# Altium PCB PCB_Poryecto0.PcbDoc
Units mm, origin at the board's own origin, x right, y up, seen from the top; angles counter-clockwise.
Board outline 65 x 45 mm, 2 copper layers (Top Layer, Bottom Layer); 187 components, 258 nets, 1098 pads, 0 vias.
Unrouted connection lines stored in the file: 711.
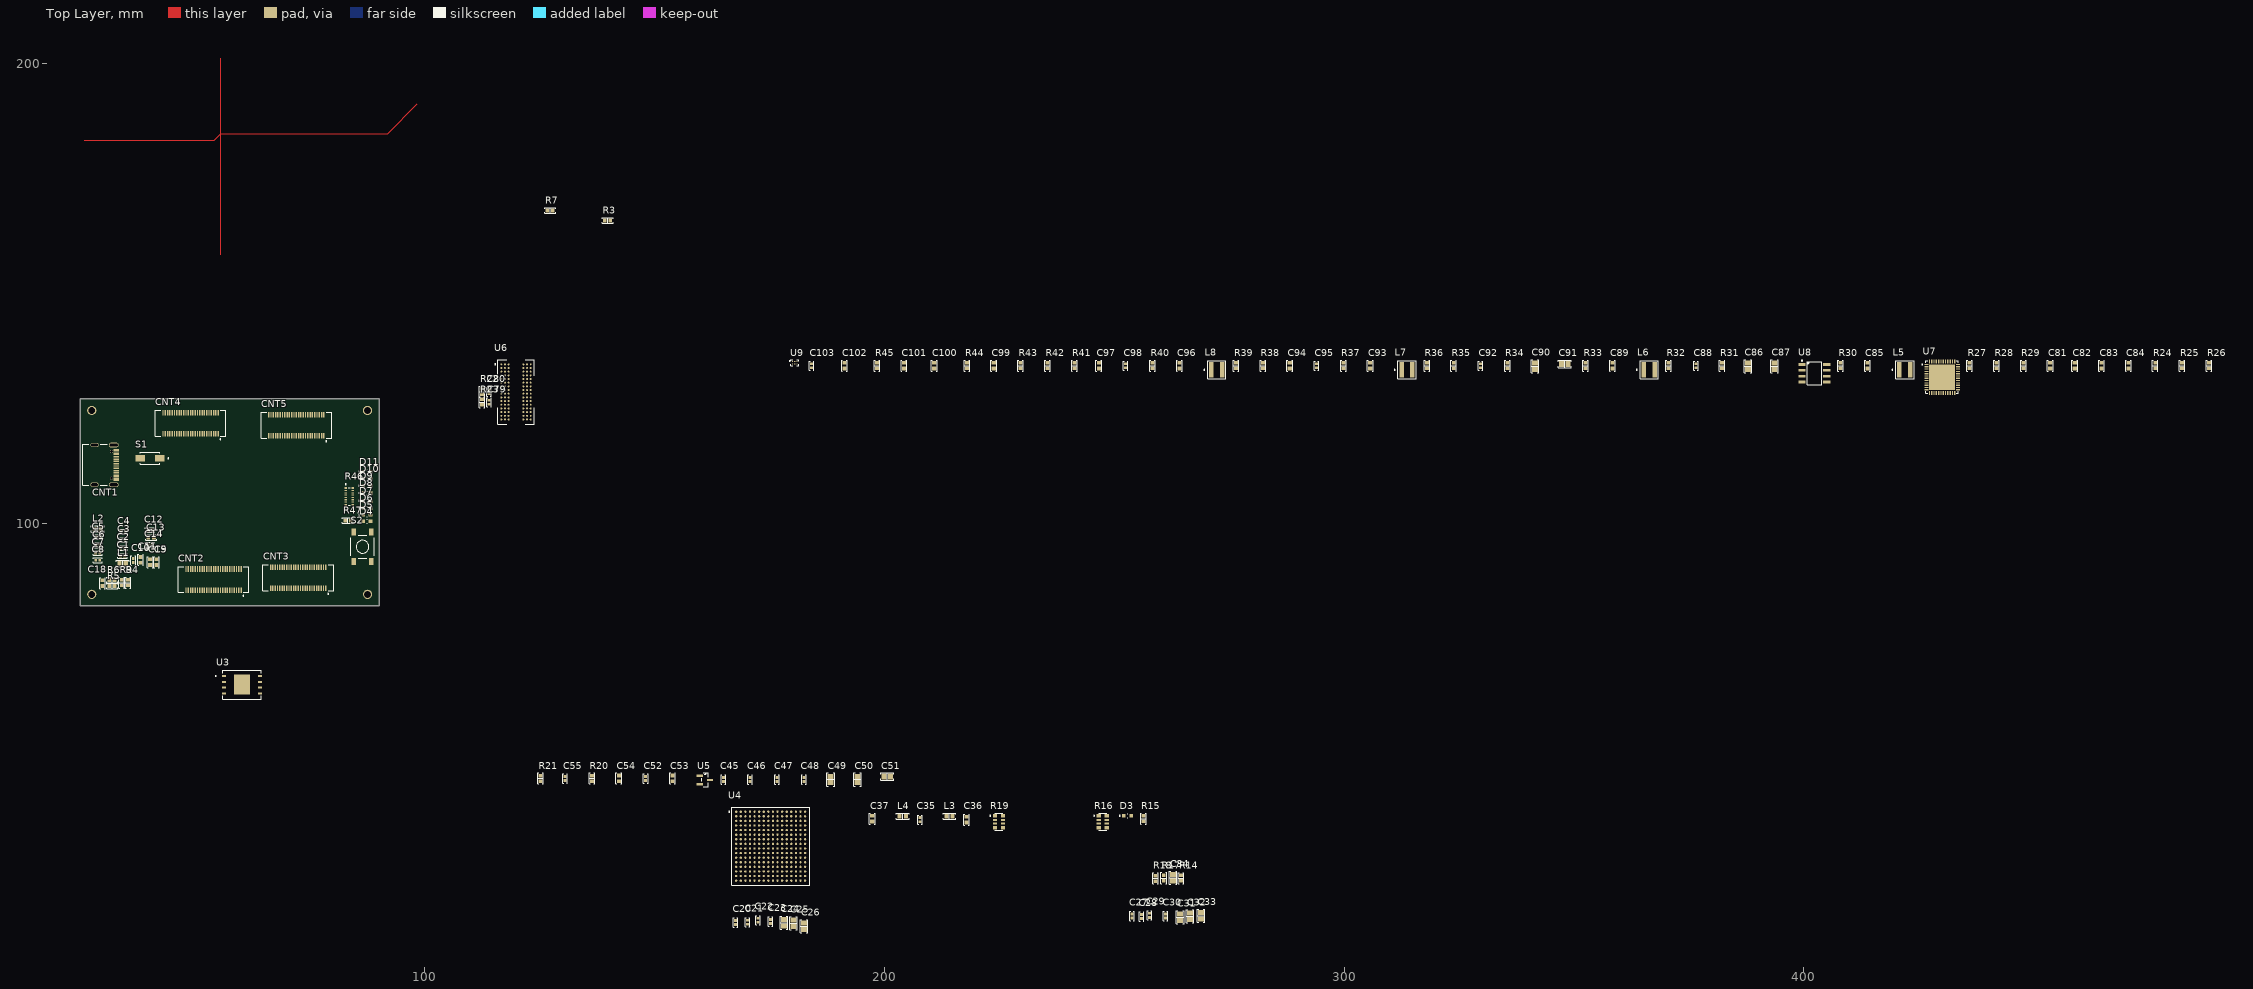
[diagram p0: Top Layer view]
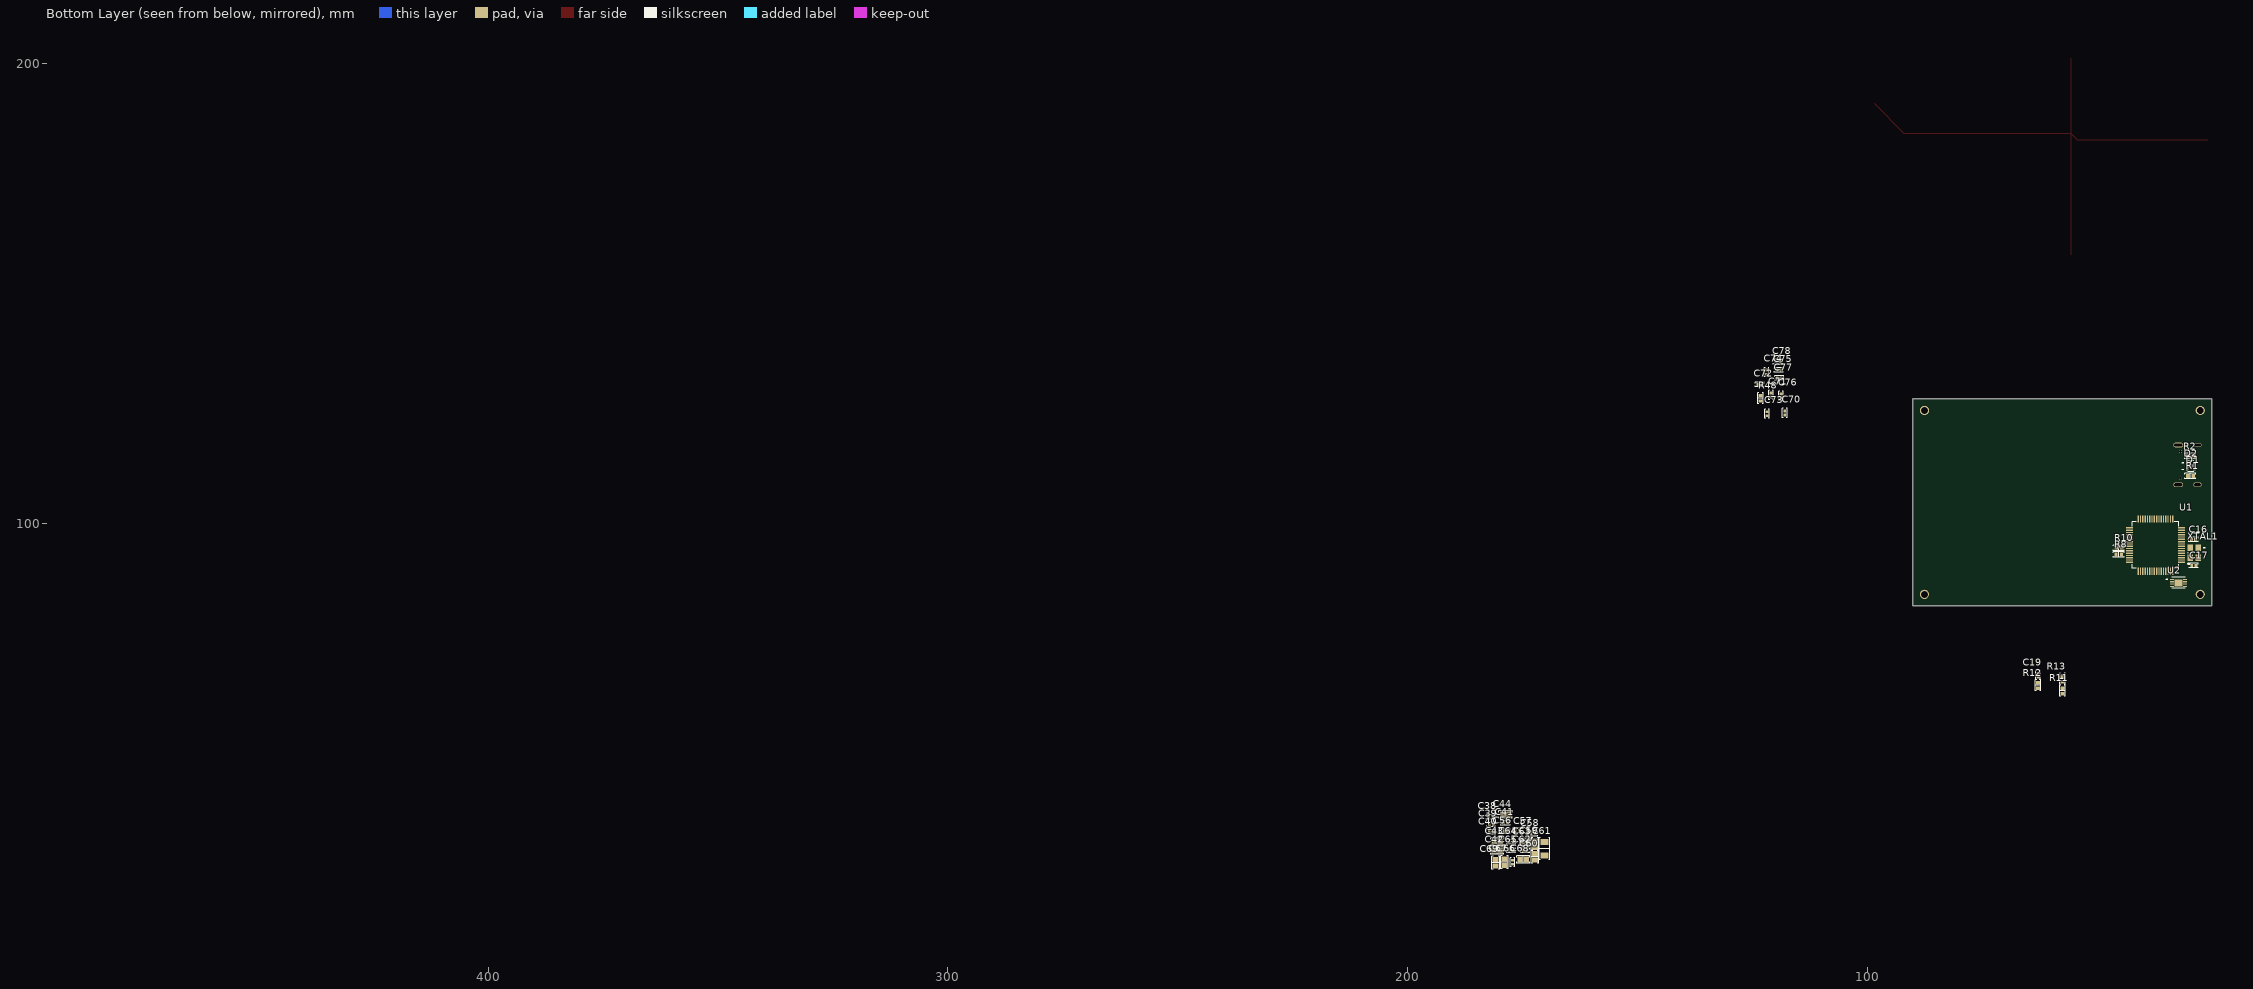
[diagram p1: Bottom Layer view, seen from below]

## Layer stack, top to bottom
Top Solder: solder mask 0.0102, Solder Resist, Dk 3.5
Top Layer: signal copper 0.0356
Dielectric 1: dielectric 0.32, FR-4, Dk 4.8
Bottom Layer: signal copper 0.0356
Bottom Solder: solder mask 0.0102, Solder Resist, Dk 3.5

## Board outline
25,82 25,127 90,127 90,82

## Design rules (kind name [scope] priority, off if disabled: settings)
Clearance [All] p1: gap=0.254 ignorepadtopadclearanceinfootprint=FALSE except(0: Arc-Hole Track-Hole SMDPad-Hole THPad-Hole Via-Hole Fill-Hole Poly-Hole Region-Hole Text-Hole)
DiffPairsRouting [All] p1: maxlimit=0.254 minlimit=0.254 mostfreqgap=0.254 toplayer_minwidth=0.381 toplayer_maxwidth=0.381 toplayer_prefwidth=0.381 bottomlayer_minwidth=0.381 bottomlayer_maxwidth=0.381 bottomlayer_prefwidth=0.381 maxuncoupledlength=12.7
PolygonConnect [All] p1: connectstyle=Relief reliefconductorwidth=0.254 reliefentries=4 polygonreliefangle="90 Angle" airgapwidth=0.254
RoomDefinition U_FPGA_Power&Ports [InComponentClass('U_FPGA_Power&Ports')] p1: confinementstyle=ConfineIn formatcopy=TRUE lockcomponents=FALSE outline 0,0 50.8,0 50.8,25.4 0,25.4
RoomDefinition U_USB_Port_FTT [InComponentClass('U_USB_Port_FTT')] p2: confinementstyle=ConfineIn formatcopy=TRUE lockcomponents=FALSE outline 0,0 50.8,0 50.8,25.4 0,25.4
RoomDefinition U_Leds_and_Buttons [InComponentClass('U_Leds_and_Buttons')] p3: confinementstyle=ConfineIn formatcopy=TRUE lockcomponents=FALSE outline 0,0 50.8,0 50.8,25.4 0,25.4
RoomDefinition U_Flash_Memory [InComponentClass('U_Flash_Memory')] p4: confinementstyle=ConfineIn formatcopy=TRUE lockcomponents=FALSE outline 0,0 50.8,0 50.8,25.4 0,25.4
RoomDefinition U_DDR_Memory [InComponentClass('U_DDR_Memory')] p5: confinementstyle=ConfineIn formatcopy=TRUE lockcomponents=FALSE outline 0,0 50.8,0 50.8,25.4 0,25.4
RoomDefinition U_Bank_A-B-C-D [InComponentClass('U_Bank_A-B-C-D')] p6: confinementstyle=ConfineIn formatcopy=TRUE lockcomponents=FALSE outline 0,0 50.8,0 50.8,25.4 0,25.4
RoomDefinition U_Power_Supply [InComponentClass('U_Power_Supply')] p7: confinementstyle=ConfineIn formatcopy=TRUE lockcomponents=FALSE outline 178.943,127.127 492.252,127.127 492.252,138.303 178.943,138.303
RoutingVias [All] p1: holewidth=0.711 width=1.27 viastyle="Through Hole" minholewidth=0.711 minwidth=1.27 maxholewidth=0.711 maxwidth=1.27
SolderMaskExpansion [All] p1: expansion=0.102 istentingtop=FALSE
Width [All] p1: maxlimit=0.254 minlimit=0.254 preferedwidth=0.254
29 further rules are at their usual default settings.

## Classes and differential pairs
net class DQ[15..0]: DQ0 DQ1 DQ2 DQ3 DQ4 DQ5 DQ6 DQ7 DQ8 DQ9 DQ10 DQ11 DQ12 DQ13 DQ14 DQ15
net class BA[2..0]: BA0 BA1 BA2
net class ADD[14..0]: ADD0 ADD1 ADD2 ADD3 ADD4 ADD5 ADD6 ADD7 ADD8 ADD9 ADD10 ADD11 ADD12 ADD13 ADD14
component class U_USB_Port_FTT: C1 C2 C3 C4 C5 C6 C7 C8 C9 C10 C11 C12 C13 C14 C15 C16 C17 C18 CNT1 D1 D2 L1 L2 R1 R2 R3 R4 R5 R6 R7 R8 R9 R10 S1 U1 U2 XTAL1
component class U_Power_Supply: C81 C82 C83 C84 C85 C86 C87 C88 C89 C90 C91 C92 C93 C94 C95 C96 C97 C98 C99 C100 C101 C102 C103 L5 L6 L7 L8 R24 R25 R26 R27 R28 R29 R30 R31 R32 R33 R34 R35 R36 R37 R38 R39 R40 R41 R42 R43 R44 R45 U7 U8 U9
component class U_Leds_and_Buttons: D4 D5 D6 D7 D8 D9 D10 D11 R46 R47 S2
component class U_FPGA_Power&Ports: C20 C21 C22 C23 C24 C25 C26 C27 C28 C29 C30 C31 C32 C33 C34 C35 C36 C37 C38 C39 C40 C41 C42 C43 C44 C45 C46 C47 C48 C49 C50 C51 C52 C53 C54 C55 C56 C57 C58 C59 C60 C61 C62 C63 C64 C65 C66 C67 C68 C69 D3 L3 L4 R14 R15 R16 R17 R18 R19 R20 R21 U4 U5
component class U_Flash_Memory: C19 R11 R12 R13 U3
component class U_DDR_Memory: C70 C71 C72 C73 C74 C75 C76 C77 C78 C79 C80 R22 R23 R48 U6
component class U_Bank_A-B-C-D: CNT2 CNT3 CNT4 CNT5
differential pair UDQS: +UDQS_P -UDQS_N
differential pair LDQS: +LDQS_P -LDQS_N
differential pair IN_Filter_ADC: +IN_Filter_ADC_P -IN_Filter_ADC_N
differential pair D: +D_p -D_n
differential pair CK: +CK_P -CK_N
differential pair ADC_IN: +ADC_IN_P -ADC_IN_N

## Components (designator, comment, footprint, x,y, rotation, side; value= is the part's Value field where it differs from the comment)
C1 "0.47uF" CAP0402 34.174,92.837 r180 top
C2 "0.47uF" CAP0402 34.214,94.59 r180 top
C3 "4.7uF" CAP0402 34.25,96.342 r180 top
C4 "4.7uF" CAP0402 34.315,98.12 r180 top
C5 "0.47uF" CAP0402 28.767,96.926 r0 top
C6 "0.47uF" CAP0402 28.803,95.174 r0 top
C7 "4.7uF" CAP0402 28.767,93.523 r0 top
C8 "4.7uF" CAP0402 28.781,91.897 r0 top
C9 "3.3uF" CAP0603 41.58,91.488 r90 top value="3.3 uF"
C10 "0.1uF" CAP0402 36.525,91.862 r270 top
C11 "0.47uF" CAP0603 38.125,91.985 r270 top
C12 "0.47uF" CAP0402 40.18,98.45 r0 top
C13 "0.1uF" CAP0603 40.402,96.85 r0 top
C14 "4.7uF" CAP0402 40.18,95.275 r0 top
C15 "0.1uF" CAP0603 40.234,91.491 r270 top
C16 "27pF" CAP0402 28.956,96.393 r180 bottom
C17 "27pF" CAP0402 28.88,90.729 r0 bottom
C18 "0.47uF" CAP0603 29.845,86.93 r90 top
C19 "0.1uF" CAP0402 62.789,66.878 r270 bottom
C20 "0.47uF" CAP0402 167.564,13.092 r90 top
C21 "0.47uF" CAP0402 170.205,13.132 r90 top
C22 "0.47uF" CAP0402 172.441,13.578 r90 top
C23 "0.47uF" CAP0402 175.184,13.31 r90 top
C24 "4.7uF" CAP0805 178.079,13.056 r90 top
C25 "4.7uF" CAP0805 180.162,12.954 r90 top
C26 "47uF" CAP0805 182.499,12.294 r90 top
C27 "0.47uF" CAP0402 253.873,14.503 r90 top
C28 "0.47uF" CAP0402 255.956,14.376 r90 top
C29 "0.47uF" CAP0402 257.632,14.63 r90 top
C30 "0.47uF" CAP0402 261.163,14.478 r90 top
C31 "4.7uF" CAP0805 264.338,14.261 r90 top
C32 "4.7uF" CAP0805 266.497,14.478 r90 top
C33 "47uF" CAP0805 268.834,14.554 r90 top
C34 "47uF" CAP0805 262.814,22.858 r90 top
C35 "4.7uF" CAP0402 207.696,35.458 r90 top
C36 "0.47uF" CAP0603 217.856,35.458 r90 top
C37 "0.1uF" CAP0603 197.333,35.687 r90 top
C38 "0.47uF" CAP0402 181.901,36.068 r0 bottom
C39 "0.47uF" CAP0402 181.762,34.417 r180 bottom
C40 "0.47uF" CAP0402 181.737,32.741 r180 bottom
C41 "0.47uF" CAP0402 178.675,34.773 r180 bottom
C42 "4.7uF" CAP0805 180.427,28.778 r180 bottom
C43 "4.7uF" CAP0805 180.416,30.658 r0 bottom
C44 "47uF" CAP0805 178.664,36.551 r0 bottom
C45 "0.47uF" CAP0402 164.922,44.196 r90 top
C46 "0.47uF" CAP0402 170.764,44.196 r90 top
C47 "0.47uF" CAP0402 176.606,44.196 r90 top
C48 "0.47uF" CAP0402 182.448,44.196 r90 top
C49 "4.7uF" CAP0805 188.29,44.196 r90 top
C50 "4.7uF" CAP0805 194.107,44.196 r90 top
C51 "47uF" CAP0805 200.558,44.806 r0 top
C52 "0.1uF" CAP0402 148.031,44.425 r90 top
C53 "10uF" CAP0603 153.873,44.425 r90 top
C54 "0.1uF" CAP0603 142.189,44.425 r90 top
C55 "1nF" CAP0402 130.505,44.425 r90 top
C56 "0.47uF" CAP0402 178.627,32.918 r180 bottom
C57 "0.47uF" CAP0402 176.115,33.147 r0 bottom
C58 "0.47uF" CAP0402 172.618,32.385 r180 bottom
C59 "4.7uF" CAP0805 172.237,30.099 r90 bottom
C60 "4.7uF" CAP0805 172.237,27.342 r90 bottom
C61 "100uF" CAP1206 170.18,29.134 r90 bottom
C62 "0.47uF" CAP0402 174.357,28.753 r0 bottom
C63 "47uF" CAP0805 174.411,30.556 r0 bottom
C64 "0.47uF" CAP0402 177.405,30.607 r180 bottom
C65 "0.47uF" CAP0402 177.419,28.778 r180 bottom
C66 "0.47uF" CAP0402 177.165,26.173 r90 bottom
C67 "4.7uF" CAP0805 178.892,26.199 r90 bottom
C68 "4.7uF" CAP0805 174.789,26.772 r0 bottom
C69 "47uF" CAP0805 180.797,26.111 r90 bottom
C70 "0.47uF" CAP0402 117.907,123.952 r90 bottom
C71 "0.47uF" CAP0402 120.904,127.864 r90 bottom
C72 "0.47uF" CAP0402 123.357,130.15 r180 bottom
C73 "0.47uF" CAP0402 121.768,123.774 r90 bottom
C74 "0.47uF" CAP0402 121.844,132.842 r90 bottom
C75 "0.47uF" CAP0402 119.177,133.299 r180 bottom
C76 "0.47uF" CAP0402 118.72,127.66 r90 bottom
C77 "0.47uF" CAP0402 119.101,131.521 r180 bottom
C78 "0.47uF" CAP0402 119.38,135.103 r180 bottom
C79 "1uF" CAP0402 113.97,126.273 r90 top
C80 "10nF" CAP0402 113.944,128.6 r270 top
C81 "10uF" CAP0603 453.644,134.239 r90 top
C82 "10uF" CAP0603 458.978,134.239 r90 top
C83 "10uF" CAP0603 464.82,134.239 r90 top
C84 "10uF" CAP0603 470.662,134.239 r90 top
C85 "0.1uF" CAP0603 413.893,134.239 r90 top
C86 "47uF" CAP0805 387.858,134.112 r90 top
C87 "47uF" CAP0805 393.7,134.112 r90 top
C88 "2.7nF" CAP0402 376.555,134.239 r90 top value=2.2nF
C89 "0.1uF" CAP0603 358.394,134.239 r90 top
C90 "47uF" CAP0805 341.503,134.112 r90 top
C91 "47uF" CAP0805 347.98,134.62 r0 top
C92 "2.7nF" CAP0402 329.692,134.239 r90 top value=2.2nF
C93 "0.1uF" CAP0603 305.689,134.239 r90 top
C94 "22uF" CAP0603 288.163,134.239 r90 top
C95 "2.7nF" CAP0402 294.005,134.239 r90 top value=2.2nF
C96 "0.1uF" CAP0603 264.16,134.239 r90 top
C97 "22uF" CAP0603 246.634,134.239 r90 top
C98 "2.7nF" CAP0402 252.476,134.239 r90 top value=2.2nF
C99 "10uF" CAP0603 223.774,134.239 r90 top
C100 "1uF" CAP0603 210.82,134.239 r90 top
C101 "1uF" CAP0603 204.216,134.239 r90 top
C102 "1uF" CAP0603 191.262,134.239 r90 top
C103 "0.1uF" CAP0402 184.15,134.239 r90 top
CNT1 "USB-C" "USB-C 2.0 24 PINS (16+8 DUMMY)" 28.095,112.655 r270 top locked
CNT2 "528850574" 528850574 54,87.7 r180 top
CNT3 "528850574" 528850574 72.415,88.087 r180 top
CNT4 "528850574" 528850574 49,121.7 r180 top
CNT5 "528850574" 528850574 72,121.3 r180 top
D1 "ESD321" SOD-523 29.579,111.658 r180 bottom
D2 "ESD321" SOD-523 29.558,113.081 r180 bottom
D3 "597-3305-607F" 0603_LED 252.882,36.297 r0 top
D4 "597-3305-607F" 0603_LED 87.363,100.381 r0 top
D5 "597-3305-607F" 0603_LED 87.363,101.803 r0 top
D6 "597-3305-607F" 0603_LED 87.363,103.264 r0 top
D7 "597-3305-607F" 0603_LED 87.363,104.813 r0 top
D8 "597-3305-607F" 0603_LED 87.363,106.54 r0 top
D9 "597-3305-607F" 0603_LED 87.363,108.102 r0 top
D10 "597-3305-607F" 0603_LED 87.363,109.652 r0 top
D11 "597-3305-607F" 0603_LED 87.363,111.176 r0 top
L1 "HZ0603C651R-10" Fer0603 34.225,91.186 r180 top
L2 "HZ0603C651R-10" Fer0603 28.767,98.679 r0 top
L3 "HZ0603C651R-10" Fer0603 214.122,36.195 r0 top
L4 "HZ0603C651R-10" Fer0603 203.962,36.195 r0 top
L5 "3.3uH" IND1616-2.1mm 422.021,133.35 r0 top
L6 "1.5uH" IND1616-2.1mm 366.395,133.35 r0 top
L7 "6.8uH" IND1616-3.1mm 313.69,133.35 r0 top
L8 "3.3uH" IND1616-2.1mm 272.288,133.35 r0 top
R1 "5.1 K" RES0603 29.632,110.261 r180 bottom value="47 K"
R2 "5.1 K" RES0603 29.633,114.554 r180 bottom value="47 K"
R3 "10 K" RES0603 139.732,165.82 r0 top
R4 "10 K" RES0603 35.357,87.022 r90 top
R5 "10 K" RES0603 31.944,86.295 r180 top
R6 "10 K" RES0603 31.944,87.616 r180 top
R7 "12 K" RES0603 127.221,167.979 r0 top
R8 "4.7 k" RES0603 45.228,93.167 r0 bottom
R9 "2 k" RES0603 34.011,87.041 r90 top
R10 "10 K" RES0603 45.212,94.615 r180 bottom
R11 "4.7 k" RES0603 57.48,63.49 r90 bottom
R12 "4.7 k" RES0603 62.789,64.653 r90 bottom
R13 "4.7 k" RES0603 57.506,66.081 r90 bottom
R14 "200R" RES0603 264.516,22.733 r90 top value=200
R15 "165R" RES0603 256.311,35.687 r90 top value=165
R16 "100" ArrayResistor-1206 247.523,35.027 r0 top value="100 Ohms"
R17 "4.7 k" RES0603 260.756,22.758 r90 top
R18 "4.7 k" RES0603 258.928,22.692 r270 top
R19 "100" ArrayResistor-1206 224.917,35.027 r0 top value="100 Ohms"
R20 "78R7" RES0603 136.322,44.425 r90 top value=200
R21 "78R7" RES0603 125.146,44.425 r90 top value=200
R22 "1K" RES0603 112.42,128.597 r90 top
R23 "1K" RES0603 112.42,126.298 r90 top
R24 "6.65 K" RES0603 476.504,134.239 r90 top
R25 "1K" RES0603 482.346,134.239 r90 top
R26 "9.31 K" RES0603 488.188,134.239 r90 top value=9.31k
R27 "12.7 K" RES0603 436.118,134.239 r90 top
R28 "10 K" RES0603 441.96,134.239 r90 top
R29 "10 K" RES0603 447.802,134.239 r90 top
R30 "31.6 K" RES0603 408.051,134.239 r90 top
R31 "10.2 K" RES0603 382.27,134.239 r90 top
R32 "15 K" RES0603 370.586,134.239 r90 top
R33 "2.49 K" RES0603 352.552,134.239 r90 top
R34 "10 K" RES0603 335.534,134.239 r90 top
R35 "47 K" RES0603 323.85,134.239 r90 top
R36 "10 K" RES0603 318.008,134.239 r90 top
R37 "12.7 K" RES0603 299.847,134.239 r90 top
R38 "10.2 K" RES0603 282.321,134.239 r90 top
R39 "10 K" RES0603 276.479,134.239 r90 top
R40 "6.65 K" RES0603 258.318,134.239 r90 top
R41 "10 K" RES0603 241.3,134.239 r90 top
R42 "10 K" RES0603 235.458,134.239 r90 top
R43 "4.99 K" RES0603 229.616,134.239 r90 top
R44 "1.91 K" RES0603 217.932,134.239 r90 top
R45 "31.6 K" RES0603 198.374,134.239 r90 top
R46 "330" ArrayResistor-1506 83.541,105.816 r0 top value="330 Ohms"
R47 "10 K" RES0603 83.236,100.584 r0 top
R48 "240" RES0603 123.19,127.152 r90 bottom
S1 "SK34A" "Diode SMA-2" 40.157,114.097 r180 top
S2 "PTS526 SK15 SMTR2 LFS" "Push Button" 86.411,94.844 r90 top
U1 "FT2232HL" LQPF-64 37.236,95.199 r0 bottom
U2 "93C56B" DFN-8 32.233,86.97 r180 bottom
U3 "W25N04KVZEIR" WSON-8 60.147,64.821 r0 top
U4 "XC7A35TFTG256" BGA-256 175.217,29.688 r0 top locked
U5 "REF3012" SOT23-3 160.884,44.094 r0 top
U6 "AS4C256M16D3LC" FBGA-96 119.808,128.544 r0 top
U7 "ADP5052" LFCSP-48 430.124,131.75 r0 top
U8 "FDS8949" SOIC8 402.336,132.588 r0 top
U9 "BD2204GUL" "UFBGA-6 (VCSP50L1)" 180.467,134.874 r0 top
XTAL1 "12 MHz" XTAL_ABM8G 28.817,93.515 r270 bottom

## Footprints (in the part's own frame and the unit in brackets; to place one, negate y for a bottom-side part, rotate by r counter-clockwise, add the part's x,y. Pads: shape width x height; smd on the part's side, far side on the other; paste and mask are expansions set on the pad)
0603_LED [mm] "Led 0805"
  rect 0.8x0.8 smd: A(-0.8,0) C(0.8,0)
  silkscreen extent -1.8,-0.4 0.08,0.4, body extent -0.8,-0.4 0.8,0.4, height 0.8
528850574 [mm] "Connector 50 pins"
  rect 0.3x1.2 smd: 1(-6,2.3) 2(-5.5,2.3) 3(-5,2.3) 4(-4.5,2.3) 5(-4,2.3) 6(-3.5,2.3) 7(-3,2.3) 8(-2.5,2.3) 9(-2,2.3) 10(-1.5,2.3) 11(-1,2.3) 12(-0.5,2.3) 13(0,2.3) 14(0.5,2.3) 15(1,2.3) 16(1.5,2.3) 17(2,2.3) 18(2.5,2.3) 19(3,2.3) 20(3.5,2.3) 21(4,2.3) 22(4.5,2.3) 23(5,2.3) 24(5.5,2.3) 25(6,2.3) 26(6,-2.3) 27(5.5,-2.3) 28(5,-2.3) 29(4.5,-2.3) 30(4,-2.3) 31(3.5,-2.3) 32(3,-2.3) 33(2.5,-2.3) 34(2,-2.3) 35(1.5,-2.3) 36(1,-2.3) 37(0.5,-2.3) 38(0,-2.3) 39(-0.5,-2.3) 40(-1,-2.3) 41(-1.5,-2.3) 42(-2,-2.3) 43(-2.5,-2.3) 44(-3,-2.3) 45(-3.5,-2.3) 46(-4,-2.3) 47(-4.5,-2.3) 48(-5,-2.3) 49(-5.5,-2.3) 50(-6,-2.3)
  silkscreen extent -7.7,-2.8 7.67,3.61, body extent -7.55,-2.65 7.55,2.65, height 2.1
ArrayResistor-1206 [mm]
  rect 0.93x0.68 smd: 1(-0.895,1.275) 4(-0.895,-1.325) 5(0.845,-1.325) 8(0.845,1.275)
  rect 0.93x0.48 smd: 2(-0.895,0.375) 3(-0.895,-0.425) 6(0.845,-0.425) 7(0.845,0.375)
  silkscreen extent -2.03,-1.88 0.85,1.83, body extent -0.88,-1.63 0.72,1.57, height 0.6
ArrayResistor-1506 [mm]
  rect 0.5x0.425 smd: 1(-0.775,1.837) 8(-0.775,-1.837) 9(0.725,-1.837) 16(0.725,1.837)
  rect 0.5x0.25 smd: 2(-0.775,1.25) 3(-0.775,0.75) 4(-0.775,0.25) 5(-0.775,-0.25) 6(-0.775,-0.75) 7(-0.775,-1.25) 10(0.725,-1.25) 11(0.725,-0.75) 12(0.725,-0.25) 13(0.725,0.25) 14(0.725,0.75) 15(0.725,1.25)
  silkscreen extent -0.88,-1.9 0.16,2.7, body extent -0.83,-1.87 0.77,1.93, height 0.55
BGA-256 [mm] "BGA-256"
  round 0.5 smd: A1(-7.5,7.5) A2(-6.5,7.5) A3(-5.5,7.5) A4(-4.5,7.5) A5(-3.5,7.5) A6(-2.5,7.5) A7(-1.5,7.5) A8(-0.5,7.5) A9(0.5,7.5) A10(1.5,7.5) A11(2.5,7.5) A12(3.5,7.5) A13(4.5,7.5) A14(5.5,7.5) A15(6.5,7.5) A16(7.5,7.5) B1(-7.5,6.5) B2(-6.5,6.5) B3(-5.5,6.5) B4(-4.5,6.5) B5(-3.5,6.5) B6(-2.5,6.5) B7(-1.5,6.5) B8(-0.5,6.5) B9(0.5,6.5) B10(1.5,6.5) B11(2.5,6.5) B12(3.5,6.5) B13(4.5,6.5) B14(5.5,6.5) B15(6.5,6.5) B16(7.5,6.5) C1(-7.5,5.5) C2(-6.5,5.5) C3(-5.5,5.5) C4(-4.5,5.5) C5(-3.5,5.5) C6(-2.5,5.5) C7(-1.5,5.5) C8(-0.5,5.5) C9(0.5,5.5) C10(1.5,5.5) C11(2.5,5.5) C12(3.5,5.5) C13(4.5,5.5) C14(5.5,5.5) C15(6.5,5.5) C16(7.5,5.5) D1(-7.5,4.5) D2(-6.5,4.5) D3(-5.5,4.5) D4(-4.5,4.5) D5(-3.5,4.5) D6(-2.5,4.5) D7(-1.5,4.5) D8(-0.5,4.5) D9(0.5,4.5) D10(1.5,4.5) D11(2.5,4.5) D12(3.5,4.5) D13(4.5,4.5) D14(5.5,4.5) D15(6.5,4.5) D16(7.5,4.5) E1(-7.5,3.5) E2(-6.5,3.5) E3(-5.5,3.5) E4(-4.5,3.5) E5(-3.5,3.5) E6(-2.5,3.5) E7(-1.5,3.5) E8(-0.5,3.5) E9(0.5,3.5) E10(1.5,3.5) E11(2.5,3.5) E12(3.5,3.5) E13(4.5,3.5) E14(5.5,3.5) E15(6.5,3.5) E16(7.5,3.5) F1(-7.5,2.5) F2(-6.5,2.5) F3(-5.5,2.5) F4(-4.5,2.5) F5(-3.5,2.5) F6(-2.5,2.5) F7(-1.5,2.5) F8(-0.5,2.5) F9(0.5,2.5) F10(1.5,2.5) F11(2.5,2.5) F12(3.5,2.5) F13(4.5,2.5) F14(5.5,2.5) F15(6.5,2.5) F16(7.5,2.5) G1(-7.5,1.5) G2(-6.5,1.5) G3(-5.5,1.5) G4(-4.5,1.5) G5(-3.5,1.5) G6(-2.5,1.5) G7(-1.5,1.5) G8(-0.5,1.5) G9(0.5,1.5) G10(1.5,1.5) G11(2.5,1.5) G12(3.5,1.5) G13(4.5,1.5) G14(5.5,1.5) G15(6.5,1.5) G16(7.5,1.5) H1(-7.5,0.5) H2(-6.5,0.5) H3(-5.5,0.5) H4(-4.5,0.5) H5(-3.5,0.5) H6(-2.5,0.5) H7(-1.5,0.5) H8(-0.5,0.5) H9(0.5,0.5) H10(1.5,0.5) H11(2.5,0.5) H12(3.5,0.5) H13(4.5,0.5) H14(5.5,0.5) H15(6.5,0.5) H16(7.5,0.5) J1(-7.5,-0.5) J2(-6.5,-0.5) J3(-5.5,-0.5) J4(-4.5,-0.5) J5(-3.5,-0.5) J6(-2.5,-0.5) J7(-1.5,-0.5) J8(-0.5,-0.5) J9(0.5,-0.5) J10(1.5,-0.5) J11(2.5,-0.5) J12(3.5,-0.5) J13(4.5,-0.5) J14(5.5,-0.5) J15(6.5,-0.5) J16(7.5,-0.5) K1(-7.5,-1.5) K2(-6.5,-1.5) K3(-5.5,-1.5) K4(-4.5,-1.5) K5(-3.5,-1.5) K6(-2.5,-1.5) K7(-1.5,-1.5) K8(-0.5,-1.5) K9(0.5,-1.5) K10(1.5,-1.5) K11(2.5,-1.5) K12(3.5,-1.5) K13(4.5,-1.5) K14(5.5,-1.5) K15(6.5,-1.5) K16(7.5,-1.5) L1(-7.5,-2.5) L2(-6.5,-2.5) L3(-5.5,-2.5) L4(-4.5,-2.5) L5(-3.5,-2.5) L6(-2.5,-2.5) L7(-1.5,-2.5) L8(-0.5,-2.5) L9(0.5,-2.5) L10(1.5,-2.5) L11(2.5,-2.5) L12(3.5,-2.5) L13(4.5,-2.5) L14(5.5,-2.5) L15(6.5,-2.5) L16(7.5,-2.5) M1(-7.5,-3.5) M2(-6.5,-3.5) M3(-5.5,-3.5) M4(-4.5,-3.5) M5(-3.5,-3.5) M6(-2.5,-3.5) M7(-1.5,-3.5) M8(-0.5,-3.5) M9(0.5,-3.5) M10(1.5,-3.5) M11(2.5,-3.5) M12(3.5,-3.5) M13(4.5,-3.5) M14(5.5,-3.5) M15(6.5,-3.5) M16(7.5,-3.5) N1(-7.5,-4.5) N2(-6.5,-4.5) N3(-5.5,-4.5) N4(-4.5,-4.5) N5(-3.5,-4.5) N6(-2.5,-4.5) N7(-1.5,-4.5) N8(-0.5,-4.5) N9(0.5,-4.5) N10(1.5,-4.5) N11(2.5,-4.5) N12(3.5,-4.5) N13(4.5,-4.5) N14(5.5,-4.5) N15(6.5,-4.5) N16(7.5,-4.5) P1(-7.5,-5.5) P2(-6.5,-5.5) P3(-5.5,-5.5) P4(-4.5,-5.5) P5(-3.5,-5.5) P6(-2.5,-5.5) P7(-1.5,-5.5) P8(-0.5,-5.5) P9(0.5,-5.5) P10(1.5,-5.5) P11(2.5,-5.5) P12(3.5,-5.5) P13(4.5,-5.5) P14(5.5,-5.5) P15(6.5,-5.5) P16(7.5,-5.5) R1(-7.5,-6.5) R2(-6.5,-6.5) R3(-5.5,-6.5) R4(-4.5,-6.5) R5(-3.5,-6.5) R6(-2.5,-6.5) R7(-1.5,-6.5) R8(-0.5,-6.5) R9(0.5,-6.5) R10(1.5,-6.5) R11(2.5,-6.5) R12(3.5,-6.5) R13(4.5,-6.5) R14(5.5,-6.5) R15(6.5,-6.5) R16(7.5,-6.5) T1(-7.5,-7.5) T2(-6.5,-7.5) T3(-5.5,-7.5) T4(-4.5,-7.5) T5(-3.5,-7.5) T6(-2.5,-7.5) T7(-1.5,-7.5) T8(-0.5,-7.5) T9(0.5,-7.5) T10(1.5,-7.5) T11(2.5,-7.5) T12(3.5,-7.5) T13(4.5,-7.5) T14(5.5,-7.5) T15(6.5,-7.5) T16(7.5,-7.5)